# Altium PCB foxbms2-master.PcbDoc (part 10 of 12)
Units mil, origin at the board's own origin, x right, y up, seen from the top; angles counter-clockwise.
Board outline 7874.02 x 4724.41 mil, 8 copper layers (Top, Int1 (Sig), Int2 (Gnd), Int3 (Sig), Int4 (Sig), Int5 (Pwr), Int6 (Sig), Bottom), stack 64.41 mil thick; 912 components, 680 nets, 3159 pads, 2871 vias.
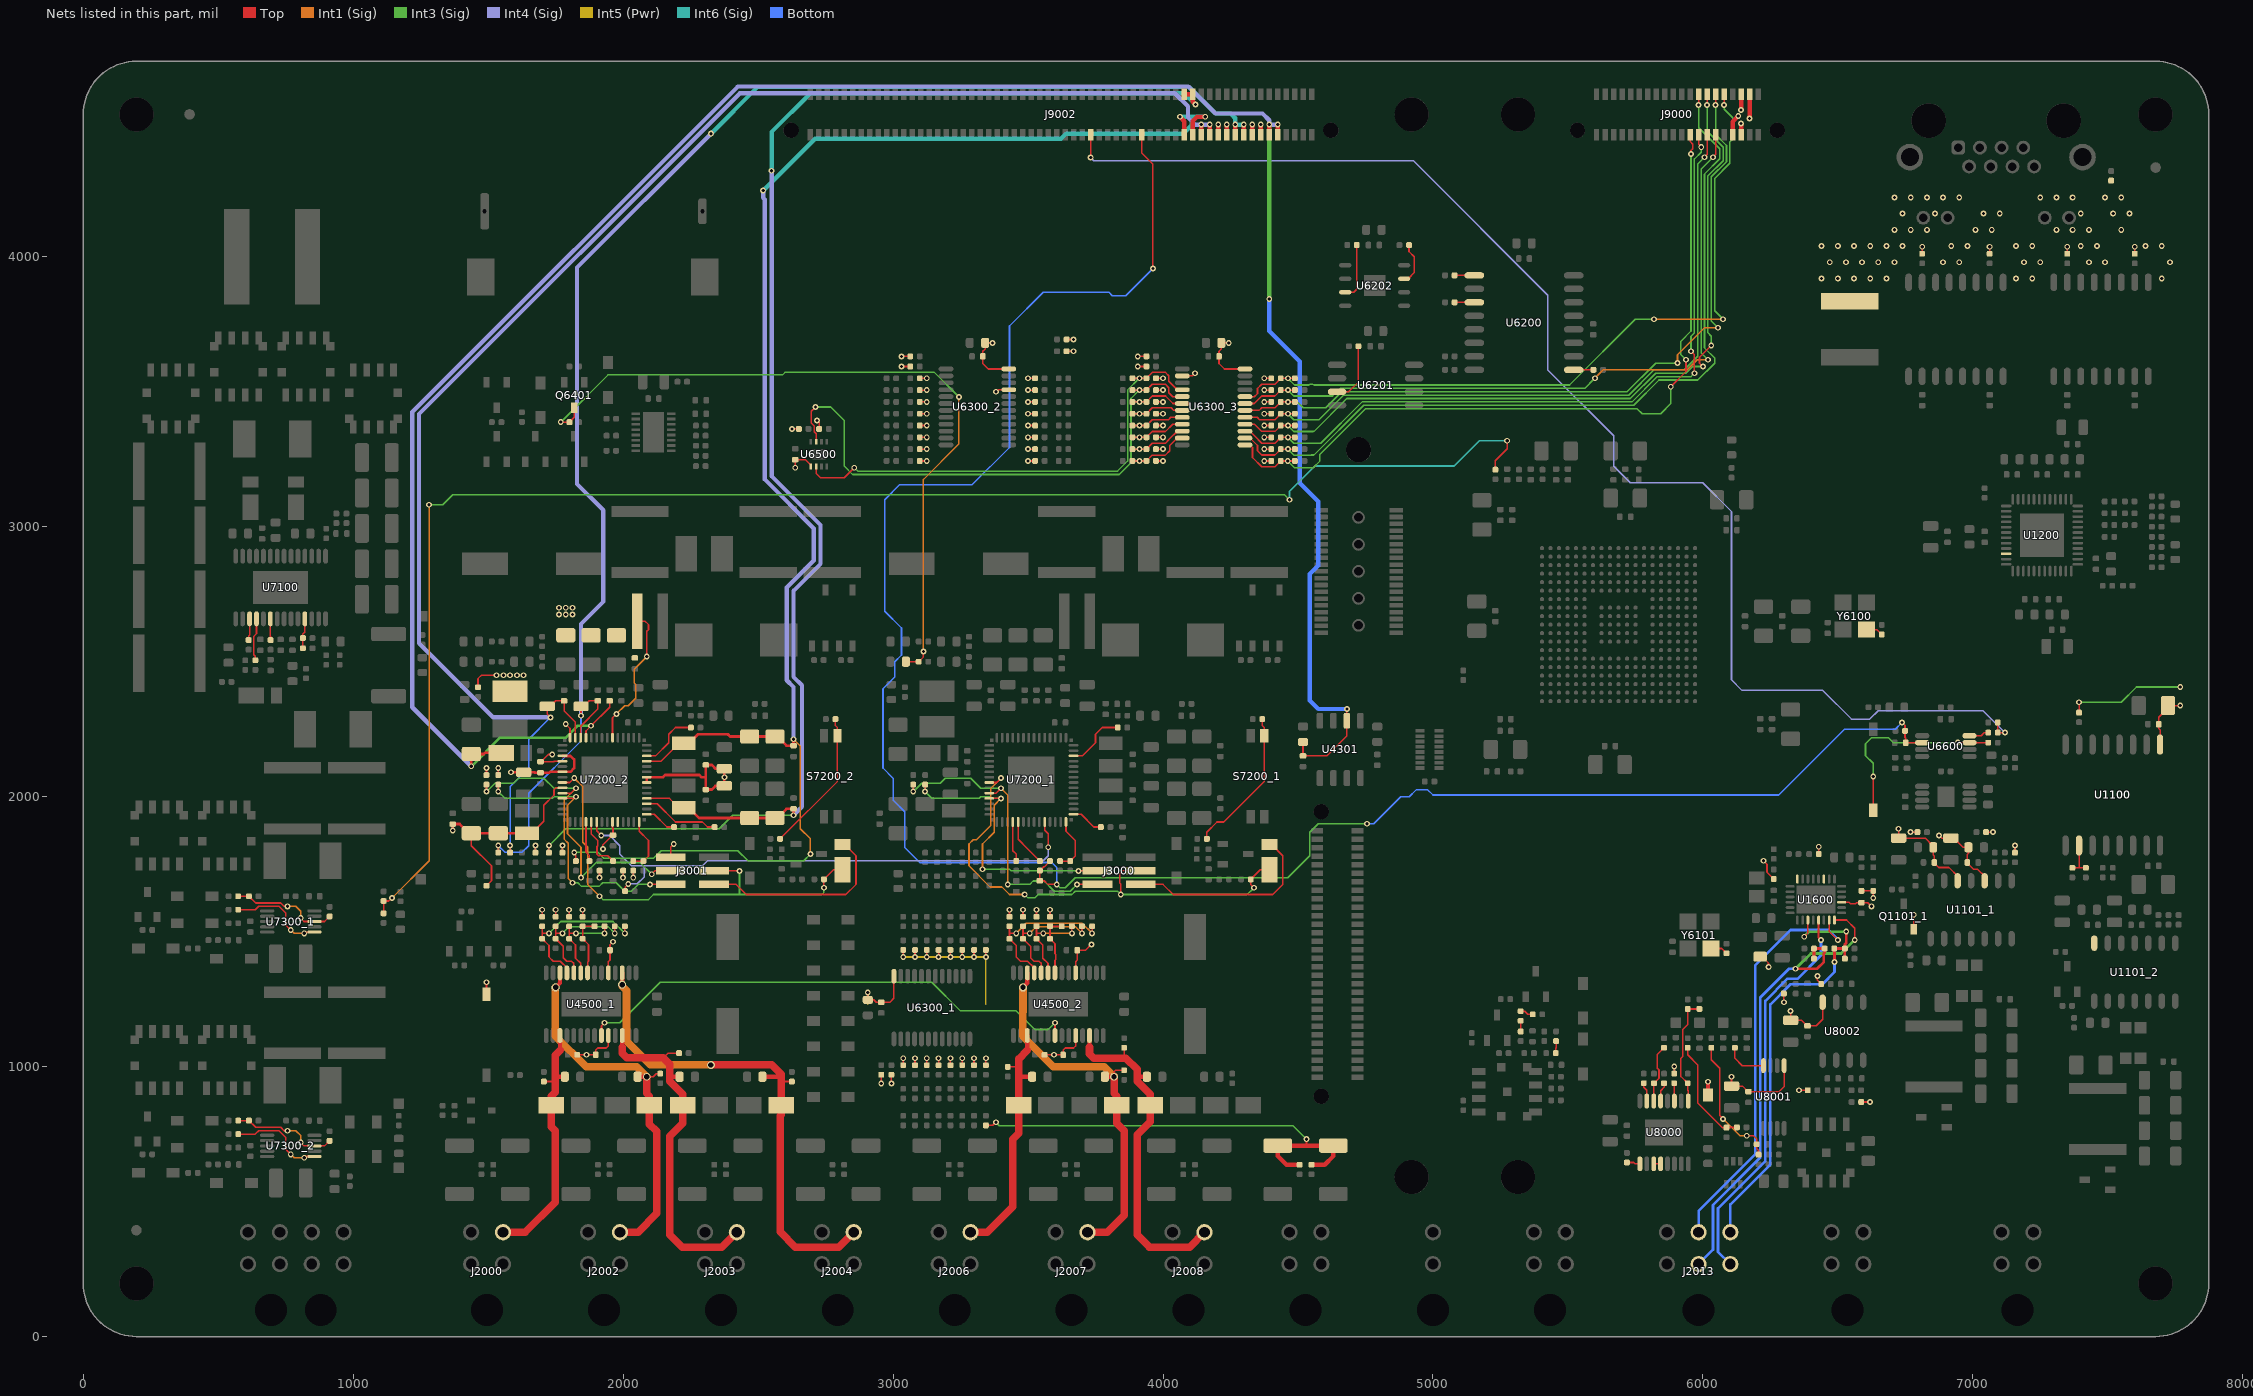
[diagram p16: the nets of this part, all layers, seen from the top]

## Via types
v1: diameter 21.65, hole 11.81, Top to Bottom, 1680 vias
v2: diameter 21.65, hole 11.81, Top to Bottom, tented both sides, 970 vias
v3: diameter 17.72, hole 7.87, Top to Bottom, tented both sides, 172 vias
v4: diameter 17.72, hole 7.87, Top to Bottom, 23 vias
v5: diameter 29.53, hole 19.68, Top to Bottom, tented both sides, 17 vias
v6: diameter 29.53, hole 19.68, Top to Bottom, 9 vias

## Nets (pads, with @x,y where several pads share a name; then routed paths per layer and width w, separated by ;. In a path a pad name is that pad's centre, name@x,y a point inside that pad or via, vN(x,y) a via of type N, cw(c..) or ccw(c..) an arc to the next point about the centre after c; other vN are vias at no path point) (continued)
NetR4202_8_1: R4202_8.1 R4203_8.1 R4204_8.2 R4205_8.2 R4206_8.2 | length 1714.9
  Top w6: R4206_8.2@3343.75,782.28 3369.78,782.28 v1(3381.25,793.75) ; v1(4531.25,731.25) 4531.76,730.74 4531.76,707.28
  Top w16: R4203_8.1@4506.25,636.47 4457.28,636.47 4425,668.75 R4202_8.1@4425,707.28 4531.76,707.28 4574.1,707.28 R4204_8.2@4631.25,707.28 4631.25,668.75 4598.97,636.47 R4205_8.2@4550,636.47
  Int3 (Sig) w6: v1(3381.25,793.75) 3393.75,781.25 3437.5,781.25 4481.25,781.25 v1(4531.25,731.25)
NetR4407_1: R4407.1 R4408.2 | length 45.2
  Top w6: R4407.1@5455.22,1050 5455.22,1067.72 5456.25,1068.75 R4408.2@5456.25,1094.78
NetR4409_2: R4409.2 R4411.2 | length 39.6
  Top w6: R4409.2@5325,1130.22 R4411.2@5325,1169.78
NetR4410_1: R4410.1 R4411.1 | length 49.5
  Top w6: R4411.1@5325,1205.22 5339.83,1205.22 5351.29,1193.75 R4410.1@5369.78,1193.75
NetR4504_1_1: R4504_1.1 R4509_1.2 R4517_1.2 U4500_1.22 | length 226.6
  Top w6: U4500_1.22@1868.45,1347.39 1868.45,1387.2 1871.83,1390.58 1871.83,1452.14 R4509_1.2@1850,1473.97 R4504_1.1@1850,1519.78 1864.83,1519.78 R4517_1.2@1893.75,1519.78
NetR4504_2_1: R4504_2.1 R4509_2.2 R4517_2.2 U4500_2.22 | length 226.6
  Top w6: U4500_2.22@3599.7,1347.39 3599.7,1393.84 3603.08,1397.21 3603.08,1415.29 3599.7,1418.66 3599.7,1455.51 R4509_2.2@3581.25,1473.97 R4504_2.1@3581.25,1519.78 3596.08,1519.78 R4517_2.2@3625,1519.78
NetR4505_1_1: R4505_1.1 R4510_1.2 R4516_1.2 U4500_1.23 | length 347.5
  Top w6: R4505_1.1@1800,1519.78 1800,1493.89 ; v1(1825,1493.75) 1800.14,1493.75 1800,1493.89 ; U4500_1.23@1842.86,1347.39 1842.86,1382.52 1823.48,1401.9 1823.48,1450.49 R4510_1.2@1800,1473.97 1800,1493.89 ; v1(1931.25,1493.75) R4516_1.2@1931.25,1519.78
  Int3 (Sig) w6: v1(1825,1493.75) v1(1931.25,1493.75)
NetR4505_2_1: R4505_2.1 R4510_2.2 R4516_2.2 U4500_2.23 | length 347.5
  Top w6: R4505_2.1@3531.25,1519.78 3531.25,1493.65 ; v1(3556.25,1493.75) 3531.35,1493.75 3531.25,1493.65 ; U4500_2.23@3574.11,1347.39 3574.11,1382.52 3554.73,1401.9 3554.73,1450.49 R4510_2.2@3531.25,1473.97 3531.25,1493.65 ; v1(3662.5,1493.75) R4516_2.2@3662.5,1519.78
  Int1 (Sig) w6: v1(3556.25,1493.75) v1(3662.5,1493.75)
NetR4506_1_1: R4506_1.1 R4511_1.2 R4515_1.2 U4500_1.24 | length 476.4
  Top w6: R4506_1.1@1750,1519.78 1750,1493.89 ; v1(1775,1493.75) 1750.14,1493.75 1750,1493.89 ; U4500_1.24@1817.27,1347.39 1817.27,1382.44 1809.04,1390.67 1790.96,1390.67 1778.17,1403.46 1778.17,1445.79 R4511_1.2@1750,1473.97 1750,1493.89 ; v1(1968.75,1493.75) R4515_1.2@1968.75,1519.78
  Int3 (Sig) w6: v1(1775,1493.75) 1800,1518.75 1943.75,1518.75 v1(1968.75,1493.75)
NetR4506_2_1: R4506_2.1 R4511_2.2 R4515_2.2 U4500_2.24 | length 476.4
  Top w6: R4506_2.1@3481.25,1519.78 3481.25,1494 ; v1(3506.25,1493.75) 3481.5,1493.75 3481.25,1494 ; U4500_2.24@3548.52,1347.39 3548.52,1382.44 3540.29,1390.67 3522.21,1390.67 3509.42,1403.46 3509.42,1445.79 R4511_2.2@3481.25,1473.97 3481.25,1494 ; v1(3700,1493.75) R4515_2.2@3700,1519.78
  Int1 (Sig) w6: v1(3506.25,1493.75) 3531.25,1518.75 3675,1518.75 v1(3700,1493.75)
NetR4507_1_1: R4507_1.1 R4512_1.2 R4514_1.2 U4500_1.25 | length 594.2
  Top w6: R4507_1.1@1700,1519.78 1700,1493.76 ; v1(1725,1493.75) 1700.01,1493.75 ; U4500_1.25@1791.68,1347.39 1791.68,1366.09 1767.1,1390.67 1740.96,1390.67 1725.23,1406.4 1725.23,1448.73 R4512_1.2@1700,1473.97 1700,1493.76 ; v1(2006.25,1493.75) R4514_1.2@2006.25,1519.78
  Int3 (Sig) w6: v1(1725,1493.75) 1768.75,1537.5 1962.5,1537.5 v1(2006.25,1493.75)
NetR4507_2_1: R4507_2.1 R4512_2.2 R4514_2.2 U4500_2.25 | length 589
  Top w6: R4507_2.1@3431.25,1519.78 3431.25,1493.74 ; v1(3456.25,1493.75) 3431.26,1493.75 ; U4500_2.25@3522.93,1347.39 3522.93,1366.09 3498.35,1390.67 3472.21,1390.67 3456.48,1406.4 3456.48,1448.73 R4512_2.2@3431.25,1473.97 3431.25,1493.74 ; v1(3737.5,1493.75) R4514_2.2@3737.5,1519.78
  Int1 (Sig) w6: v1(3456.25,1493.75) 3493.75,1531.25 3700,1531.25 v1(3737.5,1493.75)
NetR6100_2: R6100.2 Y6100.1 | length 64
  Top w6: Y6100.1@6605.81,2618.75 6644.78,2618.75 R6100.2@6662.5,2601.03
NetR6101_2: R6101.2 Y6101.1 | length 64
  Top w6: Y6101.1@6030.81,1437.5 6069.78,1437.5 R6101.2@6087.5,1419.78
NetR6202_1: R6202.1 U6200.1 | length 73.2
  Top w6: R6202.1@5080.22,3931.25 U6200.1@5153.44,3931.25
NetR6203_1: R6203.1 U6200.9 | length 73.2
  Top w6: U6200.9@5521.56,3581.25 R6203.1@5594.78,3581.25
NetR6204_1: R6204.1 U6200.3 | length 73.2
  Top w6: R6204.1@5080.22,3831.25 U6200.3@5153.44,3831.25
NetR6205_1: R6205.1 U6201.3 | length 226.6
  Top w6: U6201.3@4644.78,3500 4687.5,3500 4723.97,3536.47 R6205.1@4723.97,3668.75
NetR6206_1: R6206.1 U6202.3 | length 211
  Top w6: U6202.3@4675,3868.75 4706.25,3868.75 4717.72,3880.22 R6206.1@4717.72,4043.75
NetR6207_1: R6207.1 U6202.7 | length 157.5
  Top w6: U6202.7@4893.5,3918.75 4908.27,3918.75 4931.25,3941.73 4931.25,4000 4911.47,4019.78 R6207.1@4911.47,4043.75
NetR6602_1: R6602.1 U6600.8 | length 74.5
  Top w6: U6600.8@6987.6,2225.89 7030.84,2225.89 7042.46,2237.5 R6602.1@7057.28,2237.5
NetR6603_1: R6603.1 S6600.1 U6600.7 | length 730.5
  Top w6: S6600.1@6631.25,1950 v2(6631.25,2075) ; v2(6944.05,2200.3) U6600.7@6987.6,2200.3 7018.17,2200.3 7018.47,2200 R6603.1@7057.28,2200
  Int3 (Sig) w6: v2(6631.25,2075) 6631.25,2123.35 6602.49,2152.12 6602.49,2196.24 6625,2218.75 6687.5,2218.75 6705.95,2200.3 v2(6944.05,2200.3) v2@6943.75,2200
NetR7006_1: R7006.1 R7007.1 R7008.2 | length 5846.4
  Top w6: R7008.2@1112.5,1567.72 R7006.1@1112.5,1613.53 1132.28,1613.53 v1(1143.75,1625) ; R7007.1@5231.25,3211.47 5231.25,3244.94 5275,3288.69 v1(5275,3318.75)
  Int3 (Sig) w6: v1(1281.25,3081.25) 1331.25,3081.25 1368.75,3118.75 4450,3118.75 v1(4468.75,3100)
  Int1 (Sig) w6: v1(1143.75,1625) 1281.25,1762.5 v1(1281.25,3081.25)
  Int6 (Sig) w6: v1(4468.75,3100) 4468.75,3131.25 4562.5,3225 5079.13,3225 5172.88,3318.75 v1(5275,3318.75)
NetR7103_1: R7103.1 U7100.3 | length 80.1
  Top w6: R7103.1@612.5,2580.22 612.5,2595.04 616.09,2598.64 U7100.3@616.09,2658.86
NetR7110_2: R7110.2 U7100.4 | length 160.6
  Top w6: R7110.2@637.5,2505.22 637.5,2520.04 631.25,2526.29 631.25,2593.75 641.68,2604.18 U7100.4@641.68,2658.86
NetR7111_2: R7111.2 U7100.6 | length 66.5
  Top w6: U7100.6@692.86,2646.36 692.86,2595.93 693.75,2595.04 R7111.2@693.75,2580.22
NetR7112_2: R7112.2 R7113.2 U7100.11 | length 111.9
  Top w6: R7113.2@813.53,2550 R7112.2@813.53,2587.5 813.53,2602.33 820.82,2609.61 U7100.11@820.82,2658.86
NetR7207_1_2: R7207_1.2 R7247_1.2 U7200_1.28 | length 204.6
  Top w6: R7207_1.2@3618.75,1761.47 R7247_1.2@3656.25,1761.47 3675,1780.22 3675,1837.5 3640.45,1872.05 U7200_1.28@3640.45,1906.48
NetR7207_2_2: R7207_2.2 R7247_2.2 U7200_2.28 | length 204.6
  Top w6: R7207_2.2@2037.5,1761.47 R7247_2.2@2075,1761.47 2093.75,1780.22 2093.75,1837.5 2059.2,1872.05 U7200_2.28@2059.2,1906.48
NetR7211_2: R7211.2 U7200_2.31 | length 287.1
  Top w6: U7200_2.31@2087.27,1973.92 2126.08,1973.92 2193.75,1906.25 2293.75,1906.25 2312.5,1887.5 R7211.2@2338.53,1887.5
NetR7219_1_2: R7219_1.2 R7230_1.1 S7200_1.3 | length 549.4
  Top w6: R7219_1.2@4162.5,1843.75 4162.5,1868.75 4199.87,1906.12 4224.87,1906.12 4375,2056.25 S7200_1.3@4375,2225 4375,2256.25 4367.72,2263.53 R7230_1.1@4367.72,2287.5
NetR7219_2_2: R7219_2.2 R7230_2.1 S7200_2.3 | length 534.8
  Top w6: R7219_2.2@2581.25,1843.75 2793.75,2056.25 S7200_2.3@2793.75,2225 2793.75,2256.25 2786.47,2263.53 R7230_2.1@2786.47,2287.5
NetR7239_1_2: R7239_1.2 U7200_1.40 | length 225.6
  Top w6: U7200_1.40@3668.52,2151.08 3701.08,2151.08 3750,2200 3750,2231.25 3775,2256.25 R7239_1.2@3832.28,2256.25
NetR7239_2_2: R7239_2.2 U7200_2.40 | length 225.6
  Top w6: U7200_2.40@2087.27,2151.08 2119.83,2151.08 2168.75,2200 2168.75,2231.25 2193.75,2256.25 R7239_2.2@2251.03,2256.25
NetR7244_1_1: R7244_1.1 U7200_1.29 | length 120.7
  Top w6: U7200_1.29@3668.52,1934.55 3696.7,1934.55 3743.75,1887.5 R7244_1.1@3769.78,1887.5
NetR7244_2_1: R7244_2.1 U7200_2.29 | length 120.7
  Top w6: U7200_2.29@2087.27,1934.55 2115.45,1934.55 2162.5,1887.5 R7244_2.1@2188.53,1887.5
NetR7248_1_2: R7248_1.2 U7200_1.19 | length 178.3
  Top w6: U7200_1.19@3463.29,1906.48 3463.29,1841.93 3498.97,1806.25 R7248_1.2@3543.75,1761.47
NetR7248_2_2: R7248_2.2 U7200_2.19 | length 200.2
  Top w6: U7200_2.19@1882.04,1906.48 1882.04,1861.71 1906.25,1837.5 1906.25,1818.37 1903.17,1815.29 1903.17,1787.84 1908.01,1783.01 1909.76,1781.25 1942.72,1781.25 R7248_2.2@1962.5,1761.47
NetR7249_1_1: R7249_1.1 U7200_1.18 | length 150.2
  Top w6: U7200_1.18@3443.6,1906.48 3443.6,1800.15 3456.25,1787.5 R7249_1.1@3456.25,1761.47
NetR7249_2_1: R7249_2.1 U7200_2.18 | length 150.2
  Top w6: U7200_2.18@1862.35,1906.48 1862.35,1793.9 1875,1781.25 R7249_2.1@1875,1761.47
NetR7251_2_1: R7251_2.1 U7200_1.24 U7200_2.20 | length 2067.1
  Top w6: U7200_2.20@1901.72,1906.48 1901.72,1873.28 v2(1918.75,1856.25) ; R7251_2.1@2007.28,1650 2007.28,1665.56 v1(2018.75,1677.03) ; U7200_1.24@3561.71,1906.48 3561.71,1875.79 3575,1862.5 v2(3575,1812.5)
  Int4 (Sig) w6: v2(1918.75,1856.25) 1950,1856.25 1987.5,1818.75 1987.5,1787.5 2031.25,1743.75 2077.74,1743.75 ; v1(2018.75,1677.03) 2052.03,1677.03 2077.74,1702.74 2077.74,1743.75 ; v2(3575,1812.5) 3575,1781.25 3556.25,1762.5 2312.5,1762.5 2293.75,1743.75 2077.74,1743.75
NetR7303_1_1: R7303_1.1 R7304_1.1 R7306_1.2 U7300_1.3 | length 405.7
  Top w6: R7304_1.1@573.97,1631.25 R7303_1.1@613.53,1631.25 638.53,1606.25 731.25,1606.25 743.75,1593.75 v2(756.25,1593.75) ; v2@810.73,1550 v2(805.37,1550) 817.87,1537.5 U7300_1.3@856.35,1537.5 893.75,1537.5 R7306_1.2@912.5,1556.25
  Int1 (Sig) w6: v2(756.25,1593.75) 787.5,1593.75 805.37,1575.88 v2(805.37,1550)
NetR7303_2_1: R7303_2.1 R7304_2.1 R7306_2.2 U7300_2.3 | length 405.7
  Top w6: R7304_2.1@573.97,800 R7303_2.1@613.53,800 638.53,775 731.25,775 743.75,762.5 v2(756.25,762.5) ; v2@810.73,718.75 v2(805.37,718.75) 817.87,706.25 U7300_2.3@856.35,706.25 893.75,706.25 R7306_2.2@912.5,725
  Int1 (Sig) w6: v2(756.25,762.5) 787.5,762.5 805.37,744.63 v2(805.37,718.75)
NetR7307_1_1: R7307_1.1 U7300_1.1 | length 356.4
  Top w6: R7307_1.1@573.97,1581.25 637.5,1581.25 650,1593.75 725,1593.75 750,1568.75 750,1525 v2(768.75,1506.25) ; v2(818.75,1493.75) 823.13,1498.13 U7300_1.1@856.35,1498.13
  Int1 (Sig) w6: v2(768.75,1506.25) 781.25,1493.75 v2(818.75,1493.75)
NetR7307_2_1: R7307_2.1 U7300_2.1 | length 356.4
  Top w6: R7307_2.1@573.97,750 637.5,750 650,762.5 725,762.5 750,737.5 750,693.75 v2(768.75,675) ; v2(818.75,662.5) 823.13,666.88 U7300_2.1@856.35,666.88
  Int1 (Sig) w6: v2(768.75,675) 781.25,662.5 v2(818.75,662.5)
NetR8001_2: R8001.2 R8002.1 R8004.2 | length 404.5
  Top w6: R8001.2@5943.75,1069.78 5943.75,1043.75 5981.25,1006.25 5981.25,865.39 6072.67,773.97 R8002.1@6087.5,773.97 6102.33,773.97 6103.36,775 R8004.2@6126.03,775 R8004.2@6125,773.97
NetR8003_1: R8003.1 R8026.2 R8027.2 U8000.1 | length 406.5
  Top w6: U8000.1@5945.82,872.39 5945.82,910.43 5943.75,912.5 R8003.1@5943.75,938.53 5918.75,963.53 5918.75,1031.25 5925,1037.5 5925,1137.5 5943.75,1156.25 R8027.2@5943.75,1213.53 R8026.2@5987.5,1213.53
NetR8005_1: R8005.1 U8000.3 | length 66.5
  Top w6: R8005.1@5893.75,938.53 5893.75,912.5 5894.64,911.61 U8000.3@5894.64,872.39
NetR8006_2: R8006.2 R8012.1 U8000.6 | length 218.5
  Top w6: U8000.6@5817.86,872.39 5817.86,903.95 5818.75,904.84 R8012.1@5818.75,938.53 5837.5,957.28 5837.5,987.88 5831.25,994.13 5831.25,1044.78 R8006.2@5856.25,1069.78
NetR8007_1: R8007.1 U8000.5 | length 71.4
  Top w6: U8000.5@5843.45,872.39 5843.45,910.91 5856.25,923.71 R8007.1@5856.25,938.53
NetR8008_1: R8008.1 U8000.9 | length 49.9
  Top w6: R8008.1@5718.75,644.78 5743.75,644.78 5748.43,640.11 U8000.9@5766.68,640.11
NetR8009_2: R8009.2 R8010.1 R8013.2 | length 503.8
  Top w6: R8009.2@6031.25,1069.78 6031.25,1025 6062.5,993.75 6062.5,818.75 v2(6075,806.25) v2@6081.25,806.25 ; v2(6162.5,743.75) 6187.5,743.75 6198.97,732.28 R8013.2@6198.97,712.5 6198.97,697.67 6206.25,690.39 R8010.1@6206.25,673.97
  Int1 (Sig) w6: v2(6075,806.25) 6137.5,743.75 v2(6162.5,743.75)
NetR8011_1: R8011.1 U8000.7 | length 70.7
  Top w6: R8011.1@5781.25,938.53 5781.25,923.71 5792.27,912.68 U8000.7@5792.27,872.39
NetR8015_2: R8015.2 U8001.8 | length 155.3
  Top w6: R8015.2@6118.75,1069.78 6118.75,1031.25 6146.36,1003.64 U8001.8@6224.11,1003.64
NetU1101_2_7: U1101_2.7
NetU1200_22: U1200.22
NetU1600_3: U1600.3
NetU1600_8: U1600.8
NetU4500_2_7: U4500_1.9 U4500_2.7 | length 1913.4
  Top w6: U4500_1.9@1919.64,1115.11 1919.64,1150.89 v2(1931.25,1162.5) ; U4500_2.7@3599.7,1115.11 3599.7,1146.67 3600,1146.96 v2(3600,1162.5)
  Int3 (Sig) w6: v2(1931.25,1162.5) 1987.5,1162.5 2137.5,1312.5 3143.75,1312.5 3250,1206.25 3456.25,1206.25 3525,1137.5 3575,1137.5 v2(3600,1162.5)
NetU7200_2_24: U7200_2.24
NetU8000_11: U8000.11 U8000.12 | length 25.6
  Top w6: U8000.11@5817.86,640.11 U8000.12@5843.45,640.11
PER_1.2V_0: C7238_2.2 C7239_2.2 C7240_2.2 J9002.90 J9002.92 L7203_2.2 R7214.2 U7200_2.39 | length 6183.8
  Top w6: v2(1818.75,1793.75) 1818.75,1787.5 1825,1781.25 R7214.2@1825,1761.47 ; U7200_2.39@2087.27,2131.4 2140.3,2131.4 2206.69,2197.79 L7203_2.2@2225,2197.79
  Top w10: L7203_2.2@2225,2197.79 2243.31,2197.79 2276.77,2231.25 2387.5,2231.25 2395.87,2222.88 C7240_2.2@2468.75,2222.88 C7239_2.2@2562.5,2222.88 2571.36,2222.88 2605.41,2188.83 C7238_2.2@2631.25,2188.83 v2(2631.25,2212.5)
  Top w16: v1(4062.5,4518.75) 4078.74,4502.51 J9002.90@4078.74,4452.76 ; J9002.92@4110.24,4452.76 4110.24,4502.98 4126.01,4518.75 v1(4156.25,4518.75)
  Int3 (Sig) w6: v2(1818.75,1793.75) 1906.63,1793.75 1928.46,1771.92 2112.69,1771.92 2140.77,1800 2425,1800 2462.5,1762.5 2668.75,1762.5 v1(2693.75,1787.5)
  Int1 (Sig) w6: v2(2631.25,2212.5) 2656.25,2187.5 2656.25,1881.25 2693.75,1843.75 v1(2693.75,1787.5)
  Int4 (Sig) w16: v1(2518.75,4245.32) 2518.75,4218.75 2525,4212.5 2525,3175 2706.25,2993.75 2706.25,2875 2606.25,2775 2606.25,2431.25 2631.25,2406.25 v2(2631.25,2212.5)
  Int6 (Sig) w16: v1(2518.75,4245.32) 2710.93,4437.5 3622.24,4437.5 3636.31,4451.56 3640.99,4456.25 4073.94,4456.25 4106.25,4488.56 4106.25,4518.75 ; v1(4062.5,4518.75) 4106.25,4518.75 ; v1(4156.25,4518.75) 4106.25,4518.75
PER_1.2V_1: C7246_2.2 C7247_2.2 C7248_2.2 J9002.89 J9002.91 L7204_2.2 R7215.2 U7200_2.32 | length 5984.2
  Top w6: R7215.2@1725,1792.72 v2(1725,1818.75) ; U7200_2.32@2087.27,1993.6 2171.55,1993.6 2206.69,1958.46 L7204_2.2@2225,1958.46
  Top w10: L7204_2.2@2225,1958.46 2243.31,1958.46 2280.91,1920.87 C7247_2.2@2468.75,1920.87 C7248_2.2@2562.5,1920.87 2571.36,1920.87 2605.41,1954.92 C7246_2.2@2631.25,1954.92 v2(2631.25,1931.25)
  Top w16: J9002.89@4078.74,4602.36 J9002.91@4110.24,4602.36 4110.24,4574.7 v1(4120.08,4564.86)
  Int3 (Sig) w6: v2(1725,1818.75) 1787.5,1881.25 2356.25,1881.25 2406.25,1931.25 v2(2631.25,1931.25)
  Int4 (Sig) w16: v1(2550,4318.75) 2550,3187.5 2731.25,3006.25 2731.25,2862.5 2631.25,2762.5 2631.25,2443.75 2662.5,2412.5 2662.5,1962.5 v2(2631.25,1931.25)
  Int6 (Sig) w16: v1(2550,4318.75) 2550,4462.5 2693.75,4606.25 4078.69,4606.25 v1(4120.08,4564.86)
PER_3.3V: C1100.2 C1102.2 C1107_1.2 C1108_1.2 C1109_1.2 C1602.2 C4503_1.2 C4503_2.2 C6300_1.2 C6300_2.2 C6300_3.2 C6301_1.2 C6301_2.2 C6301_3.2 C6500.2 C7222_2.2 C7230_2.2 C7249_2.2 C7250_2.2 C7251_2.2 J3001.1 J9000.34 J9000.35 J9002.98 J9002.100 L7205_2.2 Q1101_1.S R1100.2 R1103_1.2 R1104_1.2 R1105_1.2 R1601.2 R1602.2 R1603.2 R1604.2 R4504_1.2 R4504_2.2 R4505_1.2 R4505_2.2 R4506_1.2 R4506_2.2 R4507_1.2 R4507_2.2 R4513_1.2 R4513_2.2 R6300.2 R6301.2 R6302_1.2 R6302_2.2 R6302_3.2 R6303_1.2 R6303_2.2 R6303_3.2 R6304_1.2 R6304_2.2 R6304_3.2 R6305_1.2 R6305_2.2 R6305_3.2 R6306_1.2 R6306_2.2 R6306_3.2 R6307_1.2 R6307_2.2 R6307_3.2 R6308_1.2 R6308_2.2 R6308_3.2 R6309_1.2 R6309_2.2 R6309_3.2 R6310_1.2 R6310_2.2 R6310_3.2 R6311_1.2 R6311_2.2 R6311_3.2 R6312_1.2 R6312_2.2 R6312_3.2 R6313_1.2 R6313_2.2 R6313_3.2 R6314_1.2 R6314_2.2 R6314_3.2 R6315_1.2 R6315_2.2 R6315_3.2 R6316_1.2 R6316_2.2 R6316_3.2 R6317_1.2 R6317_2.2 R6317_3.2 R6318_1.2 R6318_2.2 R6318_3.2 R6319_1.2 R6319_2.2 R6319_3.2 R6500.2 R6501.2 R7207_2.1 R7236_2.2 R7237_2.2 R7240_2.2 R7241_2.2 R7242_2.2 R7250_2.2 R8020.1 R8024.1 S4500.2 U1100.1 U1101_1.5 U1600.25 U4500_1.10 U4500_2.10 U6300_1.24 U6300_2.21 U6300_2.24 U6300_3.2 U6300_3.24 U6500.5 U7200_2.4 U7200_2.9 U7200_2.23 | length 6523.3
  Top w6: C7251_2.2@1437.5,1864.62 1437.5,1818.75 1512.5,1743.75 1512.5,1688.53 R7250_2.2@1493.75,1669.78 ; S4500.2@1493.75,1268.75 v2(1493.75,1312.5) ; R7237_2.2@1493.75,2080.22 v2(1493.75,2106.25) ; R7236_2.2@1537.5,2080.22 v2(1537.5,2106.25) ; L7205_2.2@1643.75,1864.71 1662.06,1864.71 1706.25,1908.91 1706.25,1968.75 1743.75,2006.25 1743.75,2025 1751.72,2032.97 U7200_2.9@1775.23,2032.97 ; R7242_2.2@1675,1792.72 v2(1675,1818.75) ; C7230_2.2@1693.75,2129.92 C7230_2.2@1695.72,2129.92 ; R4507_1.2@1700,1555.22 v2(1700,1581.25) ; v2(1737.5,2156.25) 1722.05,2156.25 C7230_2.2@1695.72,2129.92 ; R4506_1.2@1750,1555.22 v2(1750,1581.25) ; U7200_2.4@1775.23,2131.4 1743.9,2131.4 1742.42,2129.92 C7230_2.2@1695.72,2129.92 ; R4505_1.2@1800,1555.22 v2(1800,1581.25) ; R4513_1.2@1830.22,1043.75 v2(1864.44,1043.75) C4503_1.2@1898.67,1043.75 1898.67,1061.17 1906.25,1068.75 1937.5,1068.75 1945.23,1076.48 U4500_1.10@1945.23,1115.11 ; R4504_1.2@1850,1555.22 v2(1850,1581.25) ; v2(1912.5,1700) R7241_2.2@1912.5,1726.03 ; v2@1925,1800 v2(1925,1806.25) 1925,1822.05 1960.53,1857.58 C7222_2.2@1962.5,1857.58 1962.5,1882.55 1960.78,1884.27 U7200_2.23@1960.78,1906.48 ; v2(2000,1700) R7240_2.2@2000,1726.03 ; v2(2037.5,1700) R7207_2.1@2037.5,1726.03 ; J3001.1@2176.13,1775 2176.13,1813.63 v2(2187.5,1825) ; v2(2625,3362.5) R6500.2@2651.03,3362.5 ; v2(2637.5,3218.75) C6500.2@2637.5,3248.67 2675.39,3248.67 2695.47,3228.59 U6500.5@2695.47,3222.69 ; v2(2718.75,3393.75) 2726.03,3386.47 R6501.2@2726.03,3362.5 ; v2(2906.25,1275) C6300_1.2@2906.25,1247.29 2928.95,1247.29 2937.42,1238.83 C6301_1.2@2956.25,1238.83 2988.83,1238.83 3003,1253 U6300_1.24@3003,1334.89 ; v2(2956.25,937.5) R6318_1.2@2956.25,969.78 ; v2(2993.75,937.5) R6319_1.2@2993.75,969.78 ; v2(3031.25,3593.75) R6319_2.2@3063.53,3593.75 ; v2(3031.25,3631.25) R6318_2.2@3063.53,3631.25 ; R6302_1.2@3037.5,1005.22 v2(3037.5,1031.25) ; v2(3037.5,1406.25) R6317_1.2@3037.5,1432.28 ; R6303_1.2@3081.25,1005.22 v2(3081.25,1031.25) ; v2(3081.25,1406.25) R6316_1.2@3081.25,1432.28 ; R6309_2.2@3098.97,3243.75 v2(3125,3243.75) ; R6308_2.2@3098.97,3287.5 v2(3125,3287.5) ; R6307_2.2@3098.97,3331.25 v2(3125,3331.25) ; R6306_2.2@3098.97,3375 v2(3125,3375) ; R6305_2.2@3098.97,3418.75 v2(3125,3418.75) ; R6304_2.2@3098.97,3462.5 v2(3125,3462.5) ; R6303_2.2@3098.97,3506.25 v2(3125,3506.25) ; R6302_2.2@3098.97,3550 v2(3125,3550) ; R6304_1.2@3125,1005.22 v2(3125,1031.25) ; v2(3125,1406.25) R6315_1.2@3125,1432.28 ; R6305_1.2@3168.75,1005.22 v2(3168.75,1031.25) ; v2(3168.75,1406.25) R6314_1.2@3168.75,1432.28 ; R6306_1.2@3212.5,1005.22 v2(3212.5,1031.25) ; v2(3212.5,1406.25) R6313_1.2@3212.5,1432.28 ; R6307_1.2@3256.25,1005.22 v2(3256.25,1031.25) ; v2(3256.25,1406.25) R6312_1.2@3256.25,1432.28 ; R6308_1.2@3300,1005.22 v2(3300,1031.25) ; v2(3300,1406.25) R6311_1.2@3300,1432.28 ; R6309_1.2@3343.75,1005.22 v2(3343.75,1031.25) ; v2(3343.75,1406.25) R6310_1.2@3343.75,1432.28 ; v2(3368.75,3681.25) C6300_2.2@3341.04,3681.25 3341.04,3658.55 3332.58,3650.08 C6301_2.2@3332.58,3631.25 3332.58,3604.92 3353,3584.5 U6300_2.24@3428.64,3584.5 ; v2(3381.25,3500) 3382.9,3500 3390.62,3507.73 U6300_2.21@3428.64,3507.73 ; R4507_2.2@3431.25,1555.22 v2(3431.25,1581.25) ; R4506_2.2@3481.25,1555.22 v2(3481.25,1581.25) ; v2(3500,3243.75) R6310_2.2@3526.03,3243.75 ; v2(3500,3287.5) R6311_2.2@3526.03,3287.5 R6311_2.2@3522.03,3291.51 ; v2(3500,3331.25) R6312_2.2@3526.03,3331.25 ; v2(3500,3375) R6313_2.2@3526.03,3375 ; v2(3500,3418.75) R6314_2.2@3526.03,3418.75 ; v2(3500,3462.5) R6315_2.2@3526.03,3462.5 ; v2(3500,3506.25) R6316_2.2@3526.03,3506.25 ; v2(3500,3550) R6317_2.2@3526.03,3550 ; R4505_2.2@3531.25,1555.22 v2(3531.25,1581.25) ; R4513_2.2@3561.47,1043.75 v2(3595.69,1043.75) C4503_2.2@3629.92,1043.75 3629.92,1061.17 3637.5,1068.75 3668.75,1068.75 3676.48,1076.48 U4500_2.10@3676.48,1115.11 ; R4504_2.2@3581.25,1555.22 v2(3581.25,1581.25) ; R6301.2@3642.72,3650 v2(3668.75,3650) ; R6300.2@3642.72,3693.75 v2(3668.75,3693.75) ; v2(3906.25,3593.75) R6319_3.2@3938.53,3593.75 ; v2(3906.25,3631.25) R6318_3.2@3938.53,3631.25 ; R6309_3.2@3973.97,3243.75 v2(4000,3243.75) ; R6308_3.2@3973.97,3287.5 v2(4000,3287.5) ; R6307_3.2@3973.97,3331.25 v2(4000,3331.25) ; R6306_3.2@3973.97,3375 v2(4000,3375) ; R6305_3.2@3973.97,3418.75 v2(4000,3418.75) ; R6304_3.2@3973.97,3462.5 v2(4000,3462.5) ; R6303_3.2@3973.97,3506.25 v2(4000,3506.25) ; R6302_3.2@3973.97,3550 v2(4000,3550) ; U6300_3.2@4071.36,3558.91 4108.91,3558.91 v2(4118.75,3568.75) ; v2(4243.75,3681.25) C6300_3.2@4216.04,3681.25 4216.04,3658.55 4207.58,3650.08 C6301_3.2@4207.58,3631.25 4207.58,3604.92 4228,3584.5 U6300_3.24@4303.64,3584.5 ; v2(4375,3243.75) R6310_3.2@4401.03,3243.75 ; v2(4375,3287.5) R6311_3.2@4401.03,3287.5 R6311_3.2@4397.03,3291.51 ; v2(4375,3331.25) R6312_3.2@4401.03,3331.25 ; v2(4375,3375) R6313_3.2@4401.03,3375 ; v2(4375,3418.75) R6314_3.2@4401.03,3418.75 ; v2(4375,3462.5) R6315_3.2@4401.03,3462.5 ; v2(4375,3506.25) R6316_3.2@4401.03,3506.25 ; v2(4375,3550) R6317_3.2@4401.03,3550 ; v2(6225,1762.5) 6237.5,1750 6237.5,1719.78 R1603.2@6262.5,1694.78 ; v2(6300,1238.53) R8024.1@6300,1270.82 ; v1(6425,1336.17) 6423.71,1334.88 6423.71,1321.08 R8020.1@6438.53,1306.25 ; R1604.2@6429.18,1787.5 v2(6429.18,1814.57) ; U1600.25@6514.22,1608.91 6541.47,1608.91 6547.21,1603.17 6565.29,1603.17 6569.7,1607.58 C1602.2@6587.5,1607.58 6611.17,1607.58 v2(6625,1593.75) ; R1602.2@6587.5,1651.03 R1601.2@6631.25,1651.03 v2(6631.25,1625) ; v1(6725,1881.25) C1107_1.2@6725,1846.6 6823.38,1846.6 6853.54,1816.44 C1108_1.2@6853.54,1812.5 6853.54,1783.96 6857.58,1779.92 C1109_1.2@6857.58,1756.25 6857.58,1754.28 6874.36,1737.5 6911.52,1737.5 6943.75,1705.27 U1101_1.5@6943.75,1688.53 ; v1(6768.75,1868.75) R1103_1.2@6794.78,1868.75 ; Q1101_1.S@6781.15,1509.01 6781.15,1532.69 6781.25,1532.79 v1(6781.25,1562.5) ; R1104_1.2@7048.97,1868.75 v1(7075,1868.75) ; R1105_1.2@7156.25,1792.72 v1(7156.25,1818.75) ; R1100.2@7393.75,2311.47 v1(7393.75,2350) ; U1100.1@7693.75,2193.26 7693.75,2247.62 7688.83,2252.55 C1102.2@7688.83,2268.75 7688.83,2294.59 7722.88,2328.64 C1100.2@7722.88,2337.5 v1(7768.75,2337.5)